# KiCad board handheld.kicad_pcb
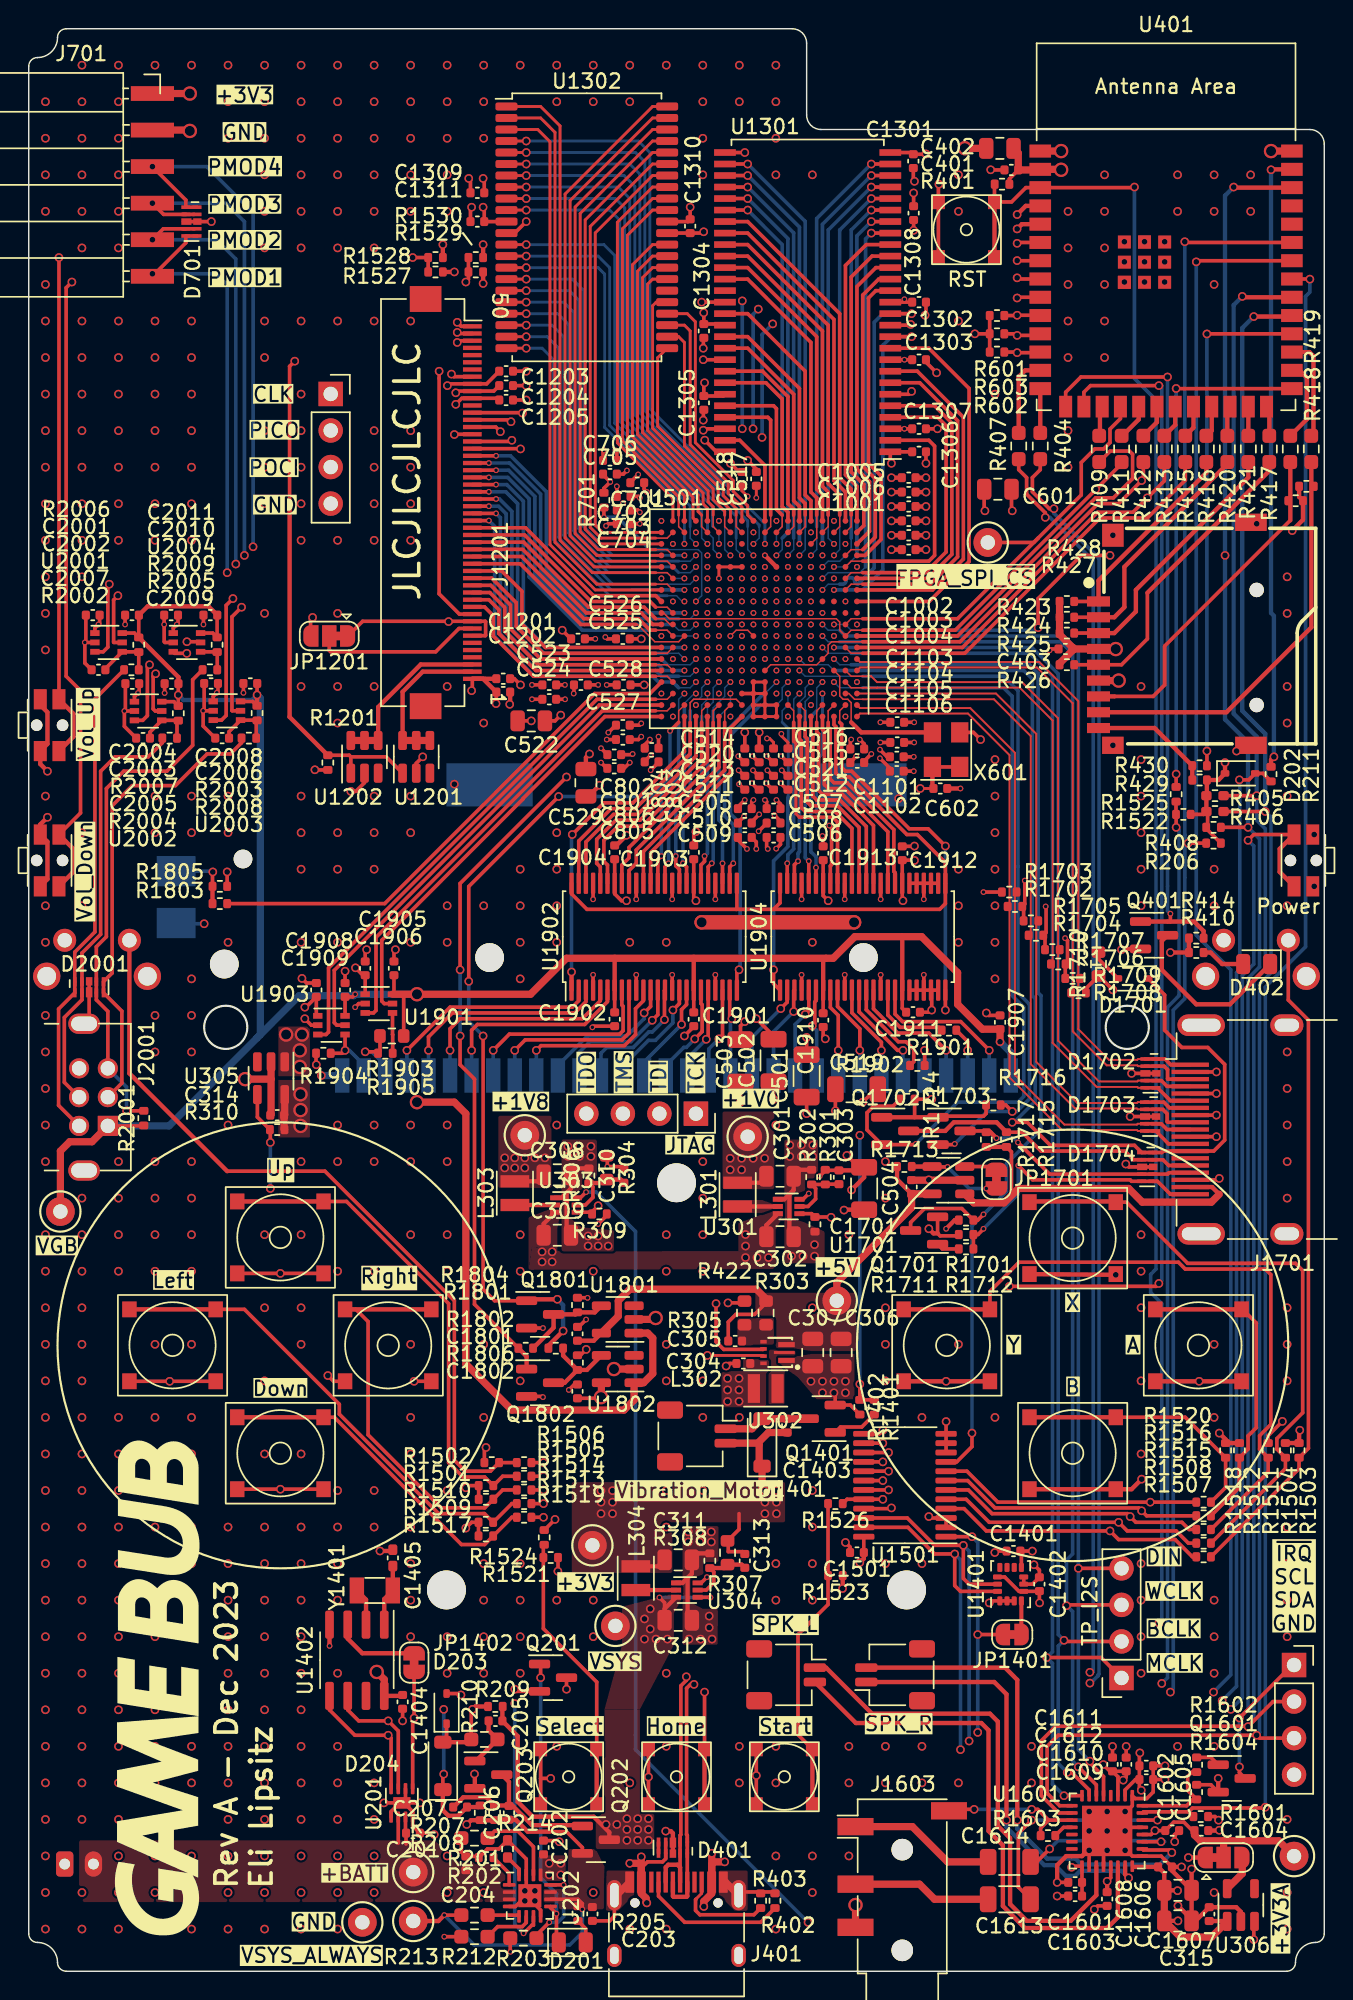
[diagram p0: board, top side]
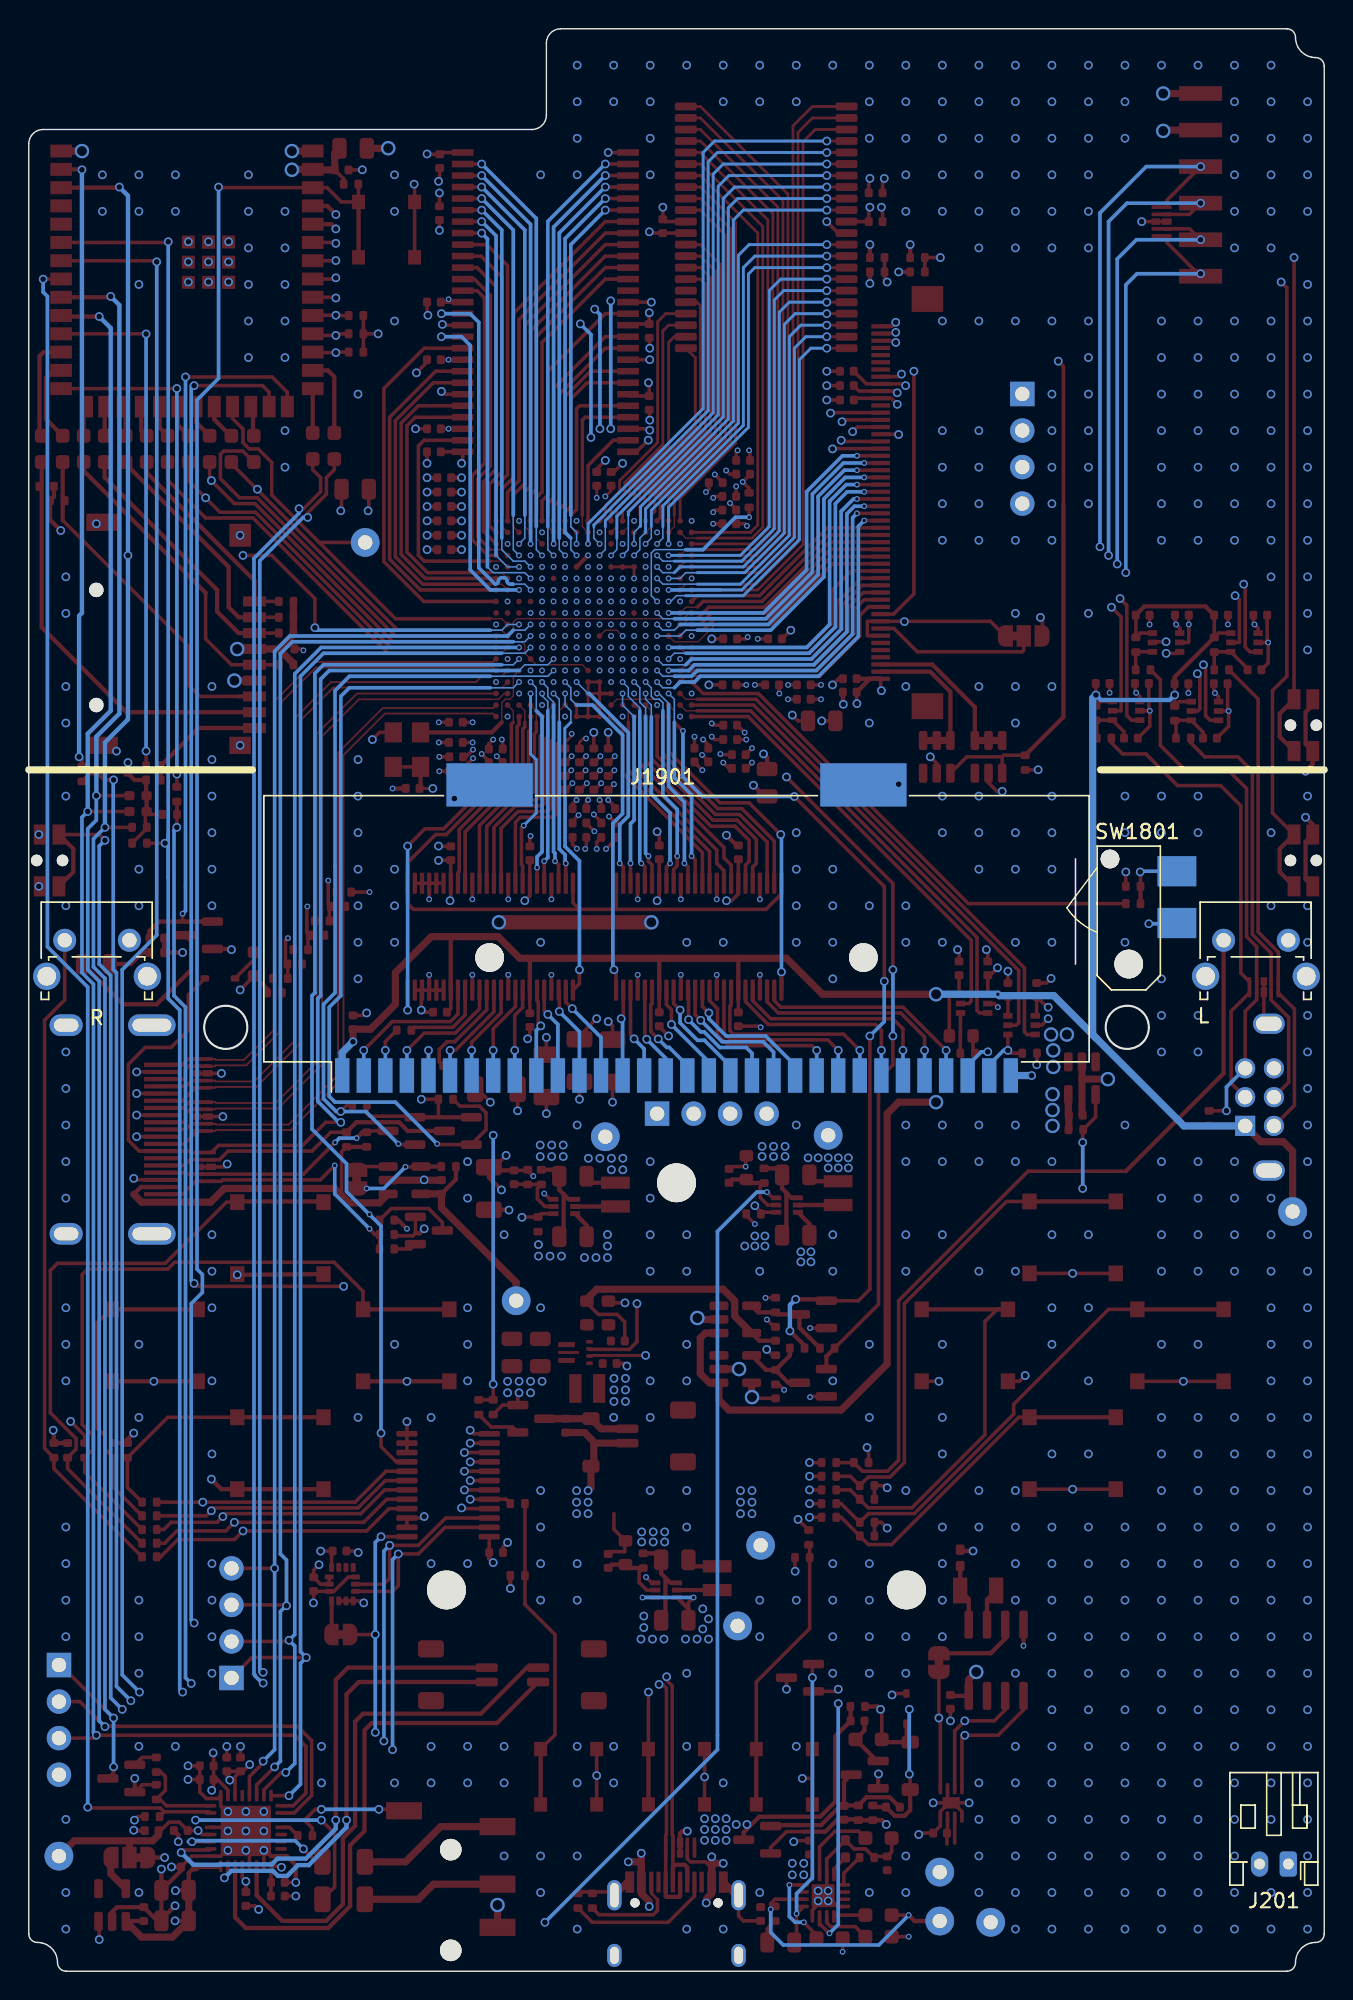
[diagram p1: board, bottom side, seen from below]

Outline 90.1 x 135 mm; copper layers: F.Cu (SIG), In1.Cu (GND) (plane), In2.Cu (SIG), In3.Cu (PWR) (plane), In4.Cu (GND) (plane), B.Cu (SIG). Coordinates in mm from the lower left corner of the outline.
Outline path: circle c13.7,65.6 r1.5 ; circle c76.4,65.6 r1.5 ; 0,132.4 arc(0.18,132.82) 0.6,133 arc(1.59,133.41) 2,134.4 arc(2.18,134.82) 2.6,135 53.1,135 arc(53.81,134.71) 54.1,134 54.1,129 arc(54.39,128.29) 55.1,128 89.1,128 arc(89.81,127.71) 90.1,127 90.1,2.6 arc(89.92,2.18) 89.5,2 arc(88.51,1.59) 88.1,0.6 arc(87.92,0.18) 87.5,0 2.6,0 arc(2.18,0.18) 2,0.6 arc(1.59,1.59) 0.6,2 arc(0.18,2.18) 0,2.6 0,132.4
Stack: F.Cu (SIG) 0.035mm / dielectric 0.0994mm FR4 er 4.5 / In1.Cu (GND) 0.0152mm / dielectric 0.55mm FR4 er 4.5 / In2.Cu (SIG) 0.0152mm / dielectric 0.1088mm FR4 er 4.5 / In3.Cu (PWR) 0.0152mm / dielectric 0.55mm FR4 er 4.5 / In4.Cu (GND) 0.0152mm / dielectric 0.0994mm FR4 er 4.5 / B.Cu (SIG) 0.035mm

## Placement (name value [footprint] x y rotation side)
C201  100n  [C_0402_1005Metric]  26.72 9.6 180 top
C202  4u7  [C_0402_1005Metric]  35.8 8.6 90 top
C203  4u7  [C_0402_1005Metric]  39.2 3.98 270 top
C204  4u7  [C_0402_1005Metric]  30.4 7.5 90 top
C205  10u  [C_0402_1005Metric]  32.46 17.4 180 top
C206  100n  [C_0402_1005Metric]  33.4 11.01 90 top
C207  1u  [C_0402_1005Metric]  30 11.41 0 top
C301  47u  [C_0805_2012Metric]  52.25 55.25 0 top
C302  47u  [C_0805_2012Metric]  52.25 51.05 0 top
C303  22p  [C_0402_1005Metric]  56.35 55.18 90 top
C304  10u  [C_0402_1005Metric]  49.7 42.24 180 top
C305  470p  [C_0402_1005Metric]  49.13 43.8 180 top
C306  22u  [C_0805_2012Metric]  56.5 43 270 top
C307  22u  [C_0805_2012Metric]  54.53 43 270 top
C308  47u  [C_0805_2012Metric]  36.76 55.35 0 top
C309  47u  [C_0805_2012Metric]  36.76 51.15 0 top
C310  22p  [C_0402_1005Metric]  41.39 55.28 90 top
C311  47u  [C_0805_2012Metric]  45.17 28.59 0 top
C312  47u  [C_0805_2012Metric]  45.17 24.39 0 top
C313  22p  [C_0402_1005Metric]  49.8 28.52 90 top
C314  100n  [C_0402_1005Metric]  17.28 59.49 0 top
C315  10u  [C_0402_1005Metric]  82.1 3.97 90 top
C401  100n  [C_0402_1005Metric]  68.34 125.19 0 top
C402  22u  [C_0805_2012Metric]  67.54 126.69 180 top
C403  100n  [C_0402_1005Metric]  72.1 91.9 0 top
C501  100u  [C_1206_3216Metric]  54.1 62.22 90 top
C502  100u  [C_1206_3216Metric]  51.8 63.3 90 top
C503  100u  [C_1206_3216Metric]  49.5 63.28 90 top
C504  100u  [C_1206_3216Metric]  58.1 54.4 270 top
C505  4u7  [C_0402_1005Metric]  49.8 80.8 0 top
C506  4u7  [C_0402_1005Metric]  51.8 79.8 180 top
C507  4u7  [C_0402_1005Metric]  51.8 80.8 180 top
C508  4u7  [C_0402_1005Metric]  51.8 78.8 0 top
C509  4u7  [C_0402_1005Metric]  49.8 78.8 0 top
C510  4u7  [C_0402_1005Metric]  49.8 79.8 0 top
C511  470n  [C_0402_1005Metric]  50.8 82.6 270 top
C512  470n  [C_0402_1005Metric]  51.8 82.6 270 top
C513  470n  [C_0402_1005Metric]  49.8 82.6 270 top
C514  470n  [C_0402_1005Metric]  49.8 84.5 270 top
C515  470n  [C_0402_1005Metric]  52.8 84.5 270 top
C516  470n  [C_0402_1005Metric]  51.8 84.5 270 top
C517  470n  [C_0402_1005Metric]  50.6 103.72 90 top
C518  470n  [C_0402_1005Metric]  49.6 103.72 90 top
C519  100u  [C_1206_3216Metric]  57.57 61.3 0 top
C520  470n  [C_0402_1005Metric]  50.8 84.5 270 top
C521  470n  [C_0402_1005Metric]  52.8 82.6 270 top
C522  47u  [C_0805_2012Metric]  34.95 86.9 180 top
C523  4u7  [C_0402_1005Metric]  36.2 89.4 180 top
C524  4u7  [C_0402_1005Metric]  36.2 88.4 180 top
C525  470n  [C_0402_1005Metric]  41.32 92.6 180 top
C526  470n  [C_0402_1005Metric]  38.2 92.6 180 top
C527  470n  [C_0402_1005Metric]  38.4 89.4 180 top
C528  470n  [C_0402_1005Metric]  41.37 89.4 180 top
C529  47u  [C_0805_2012Metric]  38.75 82.6 90 top
C601  47u  [C_0805_2012Metric]  67.4 103 0 top
C602  100n  [C_0402_1005Metric]  63.4 82.2 180 top
C701  470n  [C_0402_1005Metric]  42.32 103.45 180 top
C702  470n  [C_0402_1005Metric]  41.38 102.5 180 top
C703  470n  [C_0402_1005Metric]  41.38 101.55 180 top
C704  470n  [C_0402_1005Metric]  41.38 100.6 180 top
C705  4u7  [C_0402_1005Metric]  40.42 104.05 0 top
C706  4u7  [C_0402_1005Metric]  40.42 105 0 top
C801  470n  [C_0402_1005Metric]  41.32 85.6 180 top
C802  470n  [C_0402_1005Metric]  41.32 86.6 180 top
C803  470n  [C_0402_1005Metric]  43.32 84.05 180 top
C804  470n  [C_0402_1005Metric]  43.32 85 180 top
C805  4u7  [C_0402_1005Metric]  40.72 83.6 180 top
C806  4u7  [C_0402_1005Metric]  40.72 84.55 180 top
C1001  470n  [C_0402_1005Metric]  61.2 101.8 0 top
C1002  470n  [C_0402_1005Metric]  61.2 100.8 0 top
C1003  470n  [C_0402_1005Metric]  61.2 99.8 0 top
C1004  470n  [C_0402_1005Metric]  61.2 98.8 0 top
C1005  4u7  [C_0402_1005Metric]  61.2 103.8 0 top
C1006  4u7  [C_0402_1005Metric]  61.2 102.8 0 top
C1101  470n  [C_0402_1005Metric]  57.62 84.95 0 top
C1102  470n  [C_0402_1005Metric]  57.62 84 0 top
C1103  470n  [C_0402_1005Metric]  60.4 86.8 0 top
C1104  470n  [C_0402_1005Metric]  60.4 85.4 0 top
C1105  4u7  [C_0402_1005Metric]  60.37 84.4 0 top
C1106  4u7  [C_0402_1005Metric]  60.37 83.4 0 top
C1201  100n  [C_0402_1005Metric]  33 89.83 180 top
C1202  100n  [C_0402_1005Metric]  33 88.9 180 top
C1203  100n  [C_0402_1005Metric]  33.2 111.2 180 top
C1204  100n  [C_0402_1005Metric]  33.2 110.2 180 top
C1205  100n  [C_0402_1005Metric]  33.2 109.2 180 top
C1301  100n  [C_0402_1005Metric]  61.52 125.8 90 top
C1302  100n  [C_0402_1005Metric]  61.92 116 180 top
C1303  100n  [C_0402_1005Metric]  61.92 112 180 top
C1304  100n  [C_0402_1005Metric]  46.95 114 90 top
C1305  100n  [C_0402_1005Metric]  46.95 109 90 top
C1306  100n  [C_0402_1005Metric]  61.92 105.6 180 top
C1307  100n  [C_0402_1005Metric]  61.92 107.2 180 top
C1308  10u  [C_0402_1005Metric]  61.54 122.19 270 top
C1309  10u  [C_0402_1005Metric]  31.2 123.6 180 top
C1310  100n  [C_0402_1005Metric]  46 121.28 270 top
C1311  100n  [C_0402_1005Metric]  31.2 121.6 0 top
C1401  100n  [C_0402_1005Metric]  68.49 29.2 180 top
C1402  100n  [C_0402_1005Metric]  70.29 26.9 270 top
C1403  100n  [C_0402_1005Metric]  52.75 37.92 270 top
C1404  100n  [C_0402_1005Metric]  26 18.72 90 top
C1405  22p  [C_0402_1005Metric_Pad0.74x0.62mm_HandSolder]  25.32 28.73 270 top
C1501  100n  [C_0402_1005Metric]  57.6 29.1 180 top
C1601  10u  [C_0402_1005Metric]  72.78 6.18 180 top
C1602  100n  [C_0402_1005Metric]  79.53 9.78 180 top
C1603  10u  [C_0402_1005Metric]  72.78 5.22 180 top
C1604  100n  [C_0402_1005Metric]  81.56 9.78 180 top
C1605  22u  [C_0805_2012Metric]  79.93 5.62 0 top
C1606  100n  [C_0402_1005Metric]  79.03 7.25 180 top
C1607  22u  [C_0805_2012Metric]  79.93 3.5 0 top
C1608  100n  [C_0402_1005Metric]  75 5.02 90 top
C1609  10u  [C_0402_1005Metric]  76.32 14.38 90 top
C1610  100n  [C_0402_1005Metric]  75.38 14.38 270 top
C1611  10u  [C_0402_1005Metric]  77.72 14.28 0 top
C1612  100n  [C_0402_1005Metric]  77.72 13.32 180 top
C1613  100u  [C_1206_3216Metric]  68.2 5 180 top
C1614  100u  [C_1206_3216Metric]  68.2 7.6 180 top
C1701  100n  [C_0402_1005Metric]  61.4 54.5 270 top
C1801  100n  [C_0402_1005Metric]  38.16 44.3 270 top
C1802  100n  [C_0402_1005Metric]  38.16 40.3 270 top
C1901  100n  [C_0402_1005Metric]  46.25 66.16 90 top
C1902  100n  [C_0402_1005Metric]  40.75 66.16 90 top
C1903  100n  [C_0402_1005Metric]  46.25 77.76 270 top
C1904  100n  [C_0402_1005Metric]  40.75 77.76 270 top
C1905  100n  [C_0402_1005Metric]  25.4 69.7 270 top
C1906  100n  [C_0402_1005Metric]  23.4 69.7 270 top
C1907  100n  [C_0402_1005Metric]  67.55 65.95 270 top
C1908  100n  [C_0402_1005Metric]  22 68.2 270 top
C1909  100n  [C_0402_1005Metric]  20 68.2 270 top
C1910  100n  [C_0402_1005Metric]  55.25 66.1 90 top
C1911  100n  [C_0402_1005Metric]  61.5 66.65 180 top
C1912  100n  [C_0402_1005Metric]  60.75 77.7 270 top
C1913  100n  [C_0402_1005Metric]  55.25 77.7 270 top
C2001  100n  [C_0402_1005Metric]  7.18 94.25 0 top
C2002  100n  [C_0402_1005Metric]  4.45 94.25 0 top
C2003  100n  [C_0402_1005Metric]  9.93 89.48 0 top
C2004  100n  [C_0402_1005Metric]  7.2 89.48 0 top
C2005  100p  [C_0402_1005Metric]  7.95 85.7 180 top
C2006  100p  [C_0402_1005Metric]  13.45 85.7 180 top
C2007  100p  [C_0402_1005Metric]  4.85 90.45 180 top
C2008  100n  [C_0402_1005Metric]  15.41 89.5 0 top
C2009  100n  [C_0402_1005Metric]  12.68 89.5 0 top
C2010  100n  [C_0402_1005Metric]  12.63 94.25 0 top
C2011  100n  [C_0402_1005Metric]  9.9 94.25 0 top
D201  CHARGE_LED  [LED_0805_2012Metric]  37.8 2 0 top
D202  D_Schottky  [D_SOD-323]  84.25 83.25 0 top
D203  D_Schottky  [D_SOD-323]  29.06 18.25 90 top
D204  1N4148W  [D_SOD-123]  28.8 14.27 90 top
D401  H5VU25U  [Diodes_UDFN-10_1.0x2.5mm_P0.5mm]  44.8 8.59 270 top
D402  STATUS_LED  [LED_0805_2012Metric]  85.4 70 180 top
D701  H5VU25U  [Diodes_UDFN-10_1.0x2.5mm_P0.5mm]  11.31 121.6 0 top
D1401  1N4148W  [D_SOD-123]  51 36.75 90 top
D1701  D_Schottky  [D_SOD-323]  76.8 69 180 top
D1702  H5VU25U  [Diodes_UDFN-10_1.0x2.5mm_P0.5mm]  78.01 62.4 0 top
D1703  H5VU25U  [Diodes_UDFN-10_1.0x2.5mm_P0.5mm]  77.99 59.4 0 top
D1704  H5VU25U  [Diodes_UDFN-10_1.0x2.5mm_P0.5mm]  77.79 55.9 0 top
D2001  H5VU25U  [Diodes_UDFN-10_1.0x2.5mm_P0.5mm]  4.2 68.39 90 top
H101  MountingHole  [MountingHole_2.7mm_M2.5]  45.05 54.8 0 top
H102  MountingHole  [MountingHole_2.7mm_M2.5]  29.05 26.5 0 top
H103  MountingHole  [MountingHole_2.7mm_M2.5]  61.05 26.5 0 top
J201  Batt_Conn  [JST_PH_S2B-PH-K_1x02_P2.00mm_Horizontal]  2.5 7.45 0 bottom
J401  USB_C_Receptacle_USB2.0  [USB_C_Receptacle_HRO_TYPE-C-31-M-12]  45.05 2.15 0 top
J402  Micro_SD_Card_Det1  [microSD_G-Switch_GT-TF003-H0185-02]  79.7 92.95 90 top
J403  TP_I2C  [PinSocket_1x04_P2.54mm_Vertical]  88 21.28 0 top
J404  TP_SPI  [PinSocket_1x04_P2.54mm_Vertical]  21 109.62 0 top
J601  JTAG  [PinSocket_1x04_P2.54mm_Vertical]  46.4 59.6 270 top
J701  PMOD  [PinSocket_1x06_P2.54mm_Horizontal_SMD]  8.03 130.5 0 top
J1201  ~  [Hirose_FH12S-50S-0.5SH_1x50-1MP_P0.50mm_Horizontal_FLIPPED]  29 102.07 270 top
J1401  Vibration_Motor  [JST_SH_SM02B-SRSS-TB_1x02-1MP_P1.00mm_Horizontal]  46.47 37.2 270 top
J1601  SPK_L  [JST_SH_SM02B-SRSS-TB_1x02-1MP_P1.00mm_Horizontal]  52.68 20.6 270 top
J1602  SPK_R  [JST_SH_SM02B-SRSS-TB_1x02-1MP_P1.00mm_Horizontal]  60.25 20.6 90 top
J1603  Headphone Jack  [Jack_3.5mm_PJ320D_Horizontal]  60.75 6.22 90 top
J1604  TP_I2S  [PinSocket_1x04_P2.54mm_Vertical]  76 20.38 180 top
J1701  HDMI_A  [HDMI_A_Molex_208658-1001_Horizontal]  84.06 58.5 0 top
J1901  Cartridge_Slot  [GameBoy_Cartridge_AGS_1x32-1MP_P1.50mm_Socket_Horizontal]  45.05 72.5 180 bottom
J2001  Link_Port  [GameBoy_LinkPort_AGB_Horizontal]  5.5 58.75 180 top
JP301  3V3A_Jumper  [SolderJumper-3_P1.3mm_Bridged12_RoundedPad1.0x1.5mm]  83.1 7.9 0 top
JP1201  SolderJumper_3_Bridged12  [SolderJumper-3_P1.3mm_Bridged12_RoundedPad1.0x1.5mm]  20.9 92.8 180 top
JP1401  SolderJumper_2_Bridged  [SolderJumper-2_P1.3mm_Bridged_RoundedPad1.0x1.5mm]  68.4 23.4 180 top
JP1402  SolderJumper_2_Bridged  [SolderJumper-2_P1.3mm_Bridged_RoundedPad1.0x1.5mm]  26.8 21.45 270 top
JP1701  SolderJumper_2_Bridged  [SolderJumper-2_P1.3mm_Bridged_RoundedPad1.0x1.5mm]  67.3 55.05 90 top
L301  1u  [L_Sunlord_SWPA252012S]  49.3 53.97 90 top
L302  1u  [L_Sunlord_SWPA252012S]  51.25 40.5 0 top
L303  1u  [L_Sunlord_SWPA252012S]  33.81 54.08 90 top
L304  1u  [L_Sunlord_SWPA252012S]  42.22 27.31 90 top
Q201  AO3400A  [SOT-23]  36.46 20.4 0 top
Q202  AO3401A  [SOT-23]  39.44 9.14 0 top
Q203  AO3400A  [SOT-23]  31.96 13.66 0 top
Q401  AO3400A  [SOT-23]  78.26 72 0 top
Q1401  AO3400A  [SOT-23]  55.15 38.4 180 top
Q1601  AO3400A  [SOT-23]  83.66 13.4 0 top
Q1701  AO3400A  [SOT-23]  62.27 51.48 180 top
Q1702  AO3400A  [SOT-23]  60.26 58.4 0 top
Q1703  AO3400A  [SOT-23]  64.18 58.4 0 top
Q1801  AO3400A  [SOT-23]  35.56 45.65 0 top
Q1802  AO3400A  [SOT-23]  35.56 40.9 0 top
R201  47K  [R_0603_1608Metric_Pad0.98x0.95mm_HandSolder]  31 9.25 180 top
R202  10K  [R_0402_1005Metric]  31.81 7.9 180 top
R203  1K1  [R_0603_1608Metric_Pad0.98x0.95mm_HandSolder]  34.4 2.3 180 top
R205  2K2  [R_0402_1005Metric]  38.2 4 270 top
R206  100K  [R_0402_1005Metric]  82.4 78.4 180 top
R207  10K  [R_0402_1005Metric]  31.4 11.01 90 top
R208  100K  [R_0402_1005Metric]  32.4 11.01 90 top
R209  100K  [R_0402_1005Metric]  32.45 18.4 180 top
R210  470K  [R_0603_1608Metric_Pad0.98x0.95mm_HandSolder]  31.69 16.11 180 top
R211  1K  [R_0402_1005Metric]  86.4 83.2 90 top
R212  0R  [R_0603_1608Metric_Pad0.98x0.95mm_HandSolder]  31 2.4 0 top
R213  0R  [R_0603_1608Metric_Pad0.98x0.95mm_HandSolder]  31 3.9 0 top
R214  1K  [R_0402_1005Metric_Pad0.72x0.64mm_HandSolder]  33.3 8.5 270 top
R301  10K  [R_0402_1005Metric]  55.4 55.19 270 top
R302  15K  [R_0402_1005Metric]  54.45 55.19 90 top
R303  220K  [R_0603_1608Metric]  51.28 45.75 270 top
R304  30K  [R_0603_1608Metric]  40.19 55.84 270 top
R305  30K  [R_0603_1608Metric]  49.78 45.75 90 top
R306  15K  [R_0402_1005Metric]  38.96 55.29 90 top
R307  68K  [R_0603_1608Metric]  48.6 29.08 270 top
R308  15K  [R_0402_1005Metric]  47.37 28.53 90 top
R309  100K  [R_0402_1005Metric]  39.69 52.63 180 top
R310  100K  [R_0402_1005Metric]  17.28 58.49 180 top
R401  10K  [R_0402_1005Metric]  67.69 124.2 180 top
R402  5K1  [R_0402_1005Metric]  51.9 4.9 90 top
R403  5K1  [R_0402_1005Metric]  50.9 4.9 90 top
R404  0R  [R_0603_1608Metric_Pad0.98x0.95mm_HandSolder]  70.35 106 270 top
R405  3K3  [R_0402_1005Metric_Pad0.72x0.64mm_HandSolder]  82.5 81.7 0 top
R406  3K3  [R_0402_1005Metric_Pad0.72x0.64mm_HandSolder]  82.5 80.6 0 top
R407  0R  [R_0603_1608Metric_Pad0.98x0.95mm_HandSolder]  68.85 106 270 top
R408  10K  [R_0402_1005Metric]  82.4 79.5 0 top
R409  0R  [R_0603_1608Metric_Pad0.98x0.95mm_HandSolder]  74.45 105.8 270 top
R410  2K2  [R_0402_1005Metric]  81.2 70.8 0 top
R411  0R  [R_0603_1608Metric_Pad0.98x0.95mm_HandSolder]  76.01 105.8 270 top
R412  0R  [R_0603_1608Metric_Pad0.98x0.95mm_HandSolder]  77.52 105.8 270 top
R413  0R  [R_0603_1608Metric_Pad0.98x0.95mm_HandSolder]  78.98 105.8 270 top
R414  100K  [R_0402_1005Metric]  81.2 71.8 0 top
R415  0R  [R_0603_1608Metric_Pad0.98x0.95mm_HandSolder]  80.44 105.8 270 top
R416  0R  [R_0603_1608Metric_Pad0.98x0.95mm_HandSolder]  81.9 105.8 270 top
R417  0R  [R_0603_1608Metric_Pad0.98x0.95mm_HandSolder]  86.28 105.8 270 top
R418  0R  [R_0603_1608Metric_Pad0.98x0.95mm_HandSolder]  87.74 105.8 90 top
R419  0R  [R_0603_1608Metric_Pad0.98x0.95mm_HandSolder]  89.2 105.8 90 top
R420  0R  [R_0603_1608Metric_Pad0.98x0.95mm_HandSolder]  83.36 105.8 270 top
R421  0R  [R_0603_1608Metric_Pad0.98x0.95mm_HandSolder]  84.82 105.8 270 top
R422  10K  [R_0402_1005Metric]  54.68 51.91 270 top
R423  10K  [R_0402_1005Metric]  72.2 95.2 0 top
R424  10K  [R_0402_1005Metric]  72.2 94.1 0 top
R425  10K  [R_0402_1005Metric]  72.2 93 0 top
R426  10K  [R_0402_1005Metric]  72.2 90.8 0 top
R427  10K  [R_0402_1005Metric]  88.11 102.2 180 top
R428  10K  [R_0402_1005Metric]  88.86 103.2 0 top
R429  10K  [R_0402_1005Metric]  81.43 82.79 0 top
R430  10K  [R_0402_1005Metric]  81.43 83.78 0 top
R601  4K7  [R_0402_1005Metric]  67.34 115.07 180 top
R602  4K7  [R_0402_1005Metric]  67.34 112.53 180 top
R603  4K7  [R_0402_1005Metric]  67.34 113.8 180 top
R701  1K  [R_0402_1005Metric]  40 102.24 90 top
R1201  10K  [R_0402_1005Metric]  20.8 84 270 top
R1401  1K  [R_0402_1005Metric]  58.8 39.2 270 top
R1402  10K  [R_0402_1005Metric]  57.8 39.2 270 top
R1501  10K  [R_0402_1005Metric]  31.8 33.75 0 top
R1502  10K  [R_0402_1005Metric]  32.2 35.35 0 top
R1503  10K  [R_0402_1005Metric]  88.35 36.2 270 top
R1504  10K  [R_0402_1005Metric]  87.4 36.2 270 top
R1505  10K  [R_0402_1005Metric]  34.45 34.4 180 top
R1506  10K  [R_0402_1005Metric]  34.45 35.35 180 top
R1507  10K  [R_0402_1005Metric]  81.71 28.8 0 top
R1508  10K  [R_0402_1005Metric]  81.71 29.75 0 top
R1509  10K  [R_0402_1005Metric]  31.79 31.2 0 top
R1510  10K  [R_0402_1005Metric]  31.8 32.8 0 top
R1511  10K  [R_0402_1005Metric]  86.2 36.2 270 top
R1512  10K  [R_0402_1005Metric]  84.2 36.2 270 top
R1513  10K  [R_0402_1005Metric]  34.45 32.5 180 top
R1514  10K  [R_0402_1005Metric]  34.45 33.45 180 top
R1515  10K  [R_0402_1005Metric]  81.71 30.7 0 top
R1516  10K  [R_0402_1005Metric]  81.71 31.65 0 top
R1517  10K  [R_0402_1005Metric]  31.79 30.25 0 top
R1518  10K  [R_0402_1005Metric]  83.24 36.2 270 top
R1519  10K  [R_0402_1005Metric]  34.45 31.55 180 top
R1520  10K  [R_0402_1005Metric]  81.71 32.6 0 top
R1521  10K  [R_0402_1005Metric]  36.3 28.75 180 top
R1522  10K  [R_0402_1005Metric]  80.3 80.4 180 top
R1523  10K  [R_0402_1005Metric]  56.1 27.5 180 top
R1524  10K  [R_0402_1005Metric]  35.85 30.15 270 top
R1525  10K  [R_0402_1005Metric]  79.8 81.8 270 top
R1526  10K  [R_0402_1005Metric]  56.1 32.5 180 top
R1527  10K  [R_0402_1005Metric]  28.29 118.1 180 top
R1528  10K  [R_0402_1005Metric]  28.29 119.1 180 top
R1529  10K  [R_0402_1005Metric]  31.09 118.1 180 top
R1530  10K  [R_0402_1005Metric]  31.09 119.1 180 top
R1601  100K  [R_0402_1005Metric]  81.51 10.75 0 top
R1602  1K  [R_0402_1005Metric]  81.22 14.35 270 top
R1603  2K2  [R_0402_1005Metric]  70.88 9.43 180 top
R1604  10K  [R_0402_1005Metric]  81.22 12.45 90 top
R1701  4K7  [R_0402_1005Metric]  65.19 52.2 180 top
R1702  49R9  [R_0402_1005Metric]  68.59 74 180 top
R1703  49R9  [R_0402_1005Metric]  68.19 75 0 top
R1704  49R9  [R_0402_1005Metric]  70.05 72 180 top
R1705  49R9  [R_0402_1005Metric]  69.7 73 0 top
R1706  49R9  [R_0402_1005Metric]  71.6 70 180 top
R1707  49R9  [R_0402_1005Metric]  71.19 71 0 top
R1708  49R9  [R_0402_1005Metric]  73.01 68 180 top
R1709  49R9  [R_0402_1005Metric]  72.6 69 0 top
R1710  27K  [R_0603_1608Metric]  74.4 70 90 top
R1711  10K  [R_0402_1005Metric]  65.19 50.2 0 top
R1712  10K  [R_0402_1005Metric]  65.19 51.2 180 top
R1713  100K  [R_0402_1005Metric]  60.9 55.92 0 top
R1714  1K  [R_0402_1005Metric]  61.1 60.6 0 top
R1715  1K5  [R_0402_1005Metric]  68 57.8 90 top
R1716  1K  [R_0402_1005Metric]  67.09 60.2 180 top
R1717  1K5  [R_0402_1005Metric]  66.6 57.8 90 top
R1801  10K  [R_0402_1005Metric]  34.56 43.3 0 top
R1802  100K  [R_0402_1005Metric]  38.16 46.3 270 top
R1803  10K  [R_0402_1005Metric]  13.29 74.2 180 top
R1804  10K  [R_0402_1005Metric]  36.65 43.3 0 top
R1805  10K  [R_0402_1005Metric]  13.29 75.4 0 top
R1806  100K  [R_0402_1005Metric]  38.16 42.3 270 top
R1901  49R9  [R_0402_1005Metric]  64 65.4 180 top
R1902  49R9  [R_0402_1005Metric]  61.8 62.95 0 top
R1903  27K  [R_0603_1608Metric]  25.25 65 180 top
R1904  100K  [R_0402_1005Metric]  20.49 63.8 0 top
R1905  49R9  [R_0402_1005Metric]  24.8 63.8 0 top
R2001  100K  [R_0402_1005Metric]  8 59.29 90 top
R2002  330R  [R_0402_1005Metric]  7.14 90.45 0 top
R2003  330R  [R_0402_1005Metric]  15.31 85.7 0 top
R2004  330R  [R_0402_1005Metric]  9.8 85.7 0 top
R2005  330R  [R_0402_1005Metric]  12.6 90.45 0 top
R2006  10K  [R_0402_1005Metric]  7.65 92.19 270 top
R2007  10K  [R_0402_1005Metric]  10.4 87.42 270 top
R2008  10K  [R_0402_1005Metric]  15.88 87.44 270 top
R2009  10K  [R_0402_1005Metric]  13.1 92.19 270 top